# Altium PCB lamp_controller.PcbDoc (part 1 of 3) (continued)
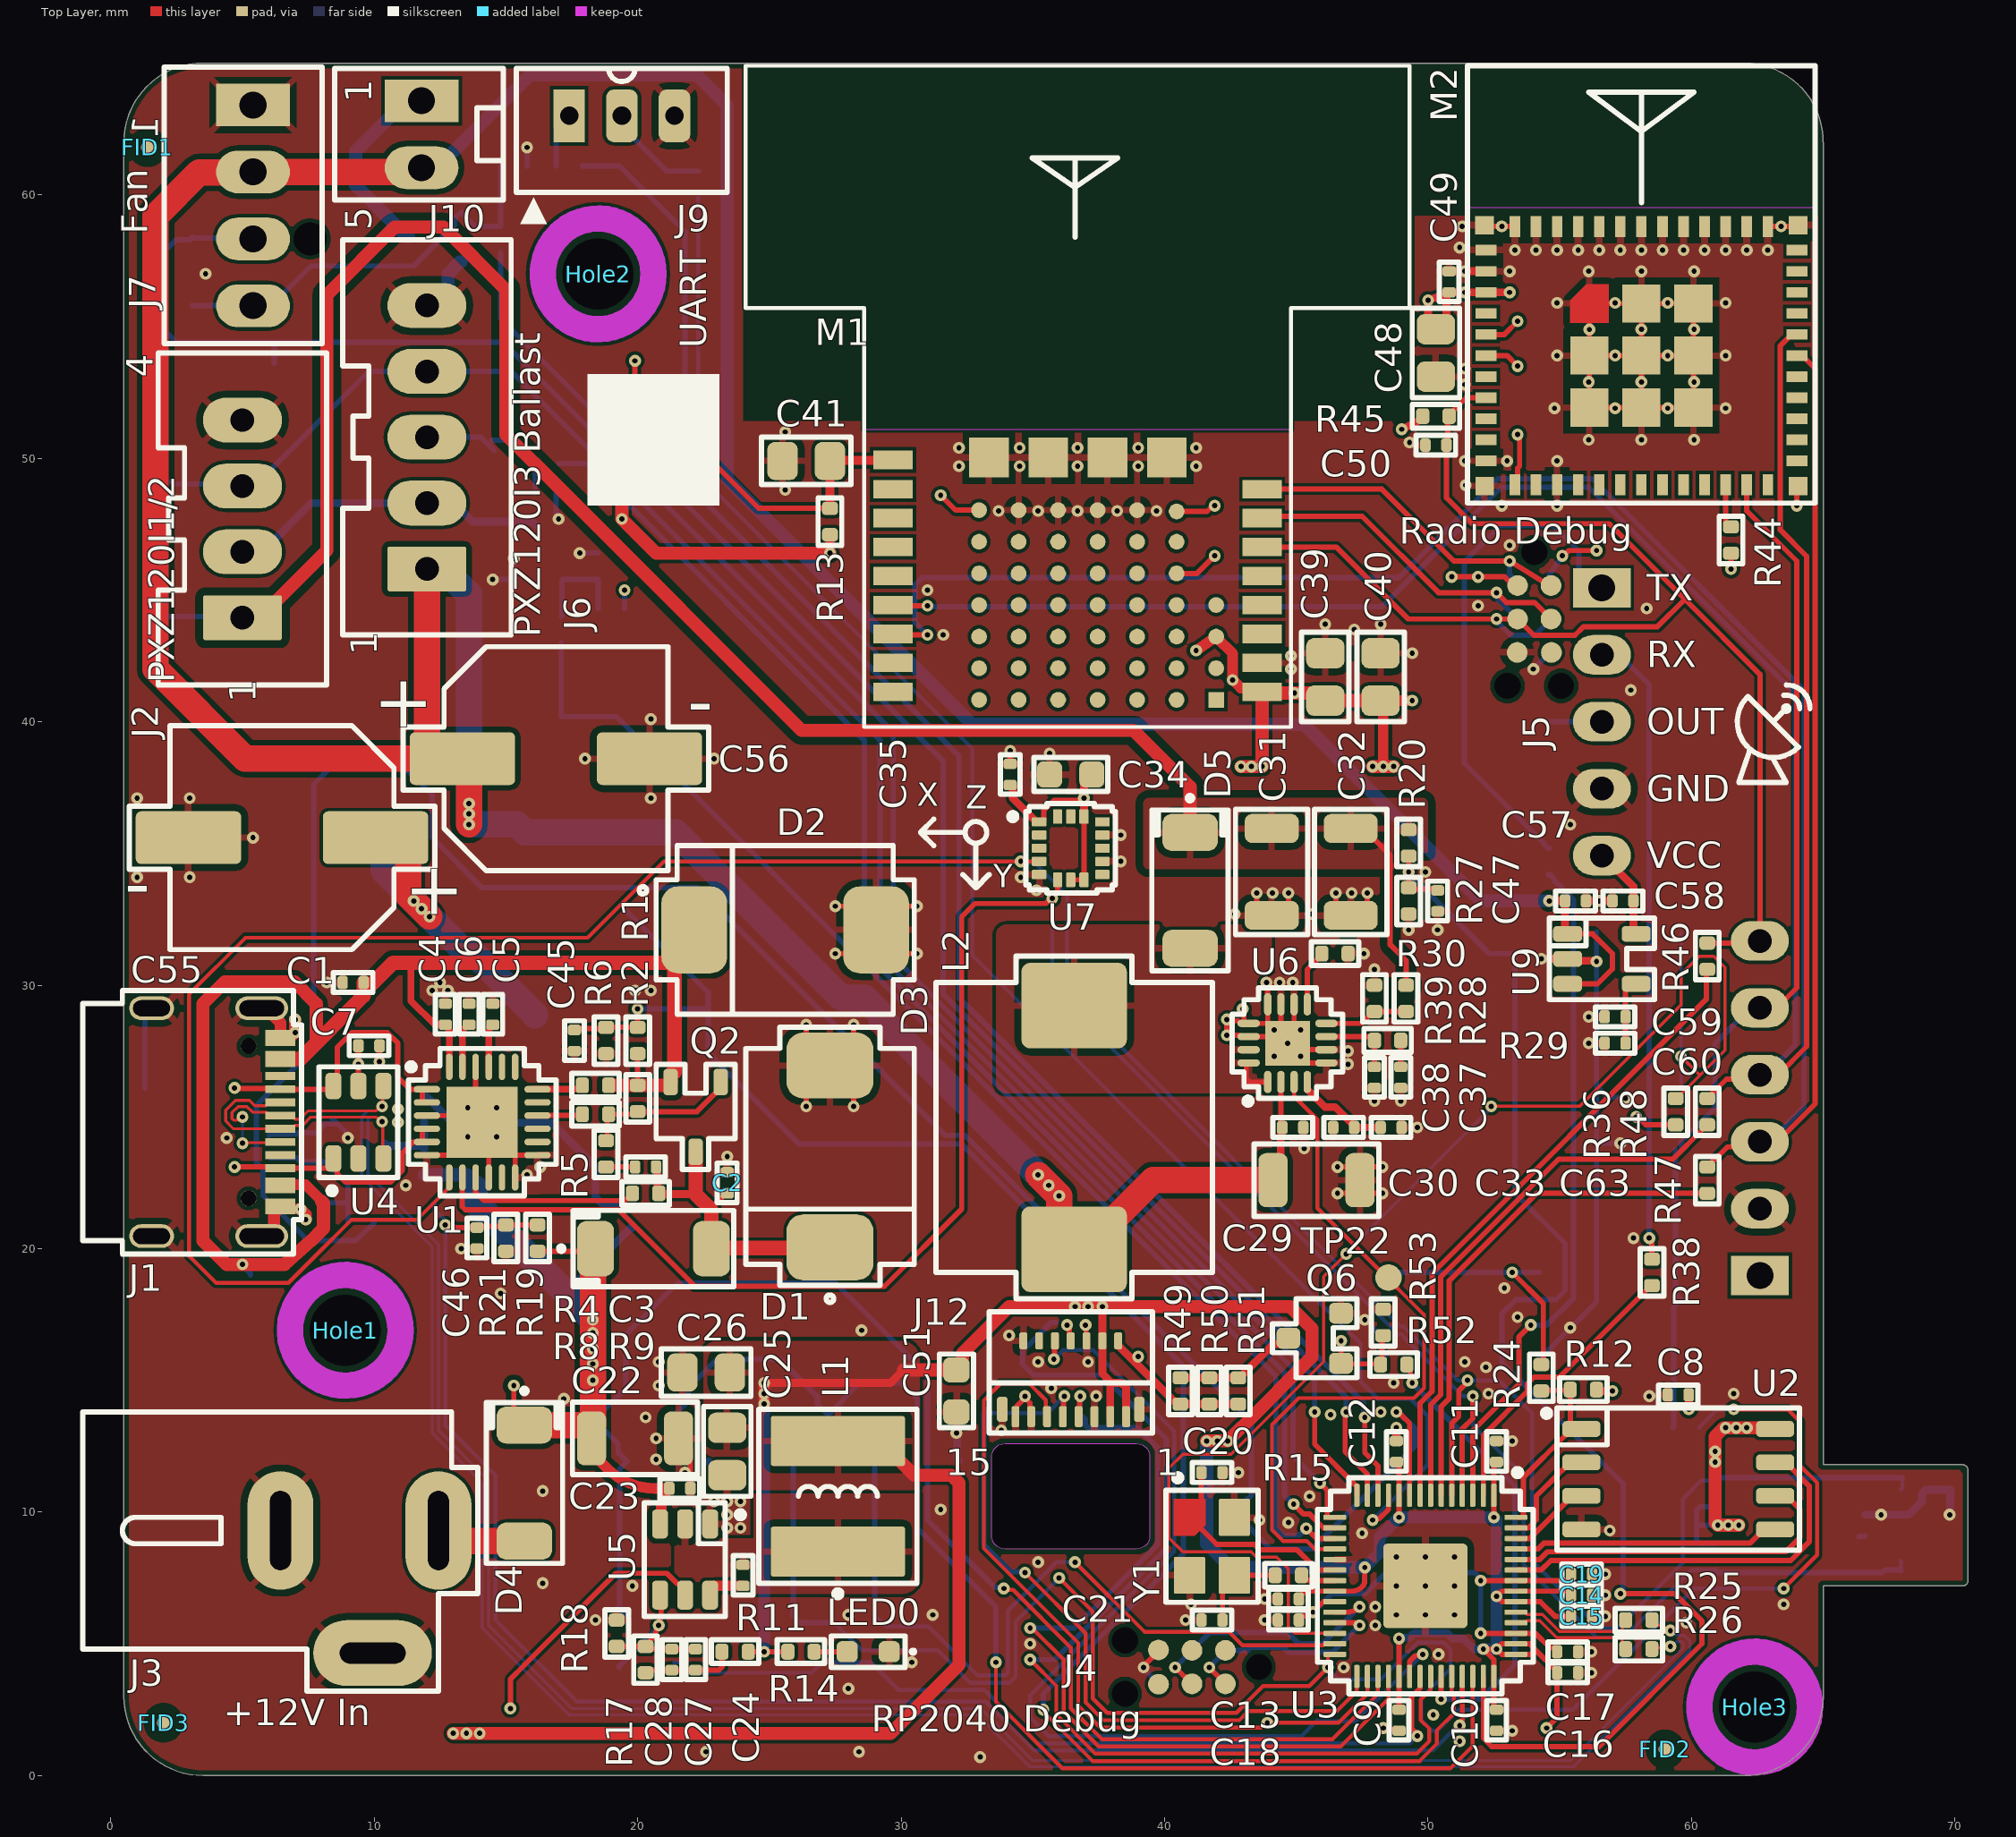
[diagram p0: Top Layer view]
## Components (designator, comment, footprint, x,y, rotation, side; value= is the part's Value field where it differs from the comment) (continued)
R34 "RMCF0402FT10K0" 0402_resistor 15.3,59.9 r180 bottom
R35 "RMCF0402FT10K0" 0402_resistor 15.3,61.1 r0 bottom
R36 "RMCF0402FT10K0" 0402_resistor 59.4,25.2 r90 top
R37 "RMCF0402FT100R" 0402_resistor 54.6,34.7 r90 bottom
R38 "RMCF0402FT100R" 0402_resistor 58.5,19.1 r90 top
R39 "RMCF0402FT10K0" 0402_resistor 47.967,29.5 r270 top
R40 "RMCF0402FT10K0" 0402_resistor 18.5,45.9 r90 bottom
R41 "RMCF0402FT10K0" 0402_resistor 7.1,23.9 r270 bottom
R42 "RMCF0402FT100R" 0402_resistor 17.4,61.1 r180 bottom
R43 "RMCF0402FT100R" 0402_resistor 22.3,60.4 r90 bottom
R44 "RMCF0402FT100K" 0402_resistor 61.5,46.9 r270 top value=100kΩ
R45 "RMCF0402FT10K0" 0402_resistor 50.3,51.6 r180 top
R46 "CR0402-FX-1001GLF" 0402_resistor 60.6,31.1 r90 top
R47 "RMCF0402FT100R" 0402_resistor 60.6,22.6 r90 top
R48 "RMCF0402FT100R" 0402_resistor 60.6,25.2 r90 top
R49 "RMCF0402FT27R0" 0402_resistor 40.6,14.6 r90 top
R50 "RMCF0402FT27R0" 0402_resistor 41.7,14.6 r90 top
R51 "RMCF0402FT27R0" 0402_resistor 42.8,14.6 r90 top
R52 "RMCF0402FT100R" 0402_resistor 48.7,15.6 r180 top
R53 "RMCF0402FT10K0" 0402_resistor 48.3,17.2 r90 top
R54 "RC0402FR-0722K1L" 0402_resistor 11.9,25.3 r90 bottom value=22.1kΩ
R55 "RMCF0402FT100R" 0402_resistor 59.8,13.2 r180 bottom
SW1 "Up" TSC015A08026B#1 24.3,15.3 r180 bottom
SW2 "Left" TSC015A08026B#1 30.6,9 r90 bottom
SW3 "Center" TSC015A08026B#1 24.3,9 r270 bottom
SW4 "Pi Boot" TSC015A06026A 51.3,17.5 r180 bottom
SW5 "ESP32 Boot" TSC015A08026B#2 58,21 r90 bottom
SW6 "RP2040 Reset" TSC015A08026B#2 58,29.1 r270 bottom
SW7 "Right" TSC015A08026B#1 18,9 r270 bottom
SW8 "Down" TSC015A08026B#1 24.3,2.7 r0 bottom
TP1 "VBUS" test_point-1 5.3,19 r180 bottom
TP2 "CC1" test_point-1 4.7,26.1 r90 bottom
TP3 "CC2" test_point-1 4.7,23.1 r180 bottom
TP4 "GND" test_point-1 1.3,26.1 r90 bottom
TP5 "*" test_point-1 53.4,50.9 r90 bottom
TP6 "VBUS Sense" test_point-1 19.6,32.8 r90 bottom
TP7 "Lamp Enable" test_point-1 17.1,40.2 r0 bottom
TP8 "Buck EN" test_point-1 15.168,2.545 r90 bottom
TP9 "+3.3V" test_point-1 54.5,1.8 r270 bottom
TP10 "GND" test_point-1 61.3,51.9 r90 bottom
TP11 "Buck Feedback" test_point-1 19.3,4.1 r270 bottom
TP12 "nRF_VBAT" test_point-1 19.9,53.7 r90 bottom
TP13 "Lamp Status" test_point-1 2.3,49.1 r90 bottom
TP14 "*" test_point-1 53.4,55.2 r90 bottom
TP15 "*" test_point-1 41.9,48.2 r90 bottom
TP16 "*" test_point-1 53.4,53.5 r90 bottom
TP17 "*" test_point-1 41.9,46.3 r90 bottom
TP18 "*" test_point-1 31.5,48.6 r90 bottom
TP19 "+12V Sense" test_point-1 12.3,21.7 r90 bottom
TP20 "+24V Sense" test_point-1 53.3,31.2 r90 bottom
TP21 "RADAR Out" test_point-1 54.5,40 r90 bottom
TP22 "+24V Enable" test_point-1 48.5,18.9 r90 top
TP23 "nRF_VBAT" test_point-1 14.482,50.685 r90 bottom
TP30 "Fan Tach" test_point-1 3.1,58.4 r90 bottom
TP31 "Fan PWM" test_point-1 3.1,55.8 r90 bottom
TP32 "LCD SDA" test_point-1 43.9,2.4 r90 bottom
TP33 "LCD D/C" test_point-1 45.8,2.1 r90 bottom
TP34 "LCD SCLK" test_point-1 33.3,13.9 r90 bottom
TP35 "\LCD CS" test_point-1 35.9,17.2 r90 bottom
TP36 "\LCD Reset" test_point-1 37,13.3 r90 bottom
TP37 "LED K" test_point-1 39.1,16.1 r90 bottom
TP38 "GND" test_point-1 33,0.7 r90 bottom
TP39 "+12V" test_point-1 15.3,14.8 r90 bottom
TP40 "+12V Switched" test_point-1 3.1,60.9 r90 bottom
TP41 "+12V Enable" test_point-1 8.2,21.8 r90 bottom
TP42 "+24V" test_point-1 2.2,44 r90 bottom
TP43 "LCB Backlight" test_point-1 46.1,16.7 r90 bottom
U1 "USB-PD Sink" QFN-24 14.1,24.8 r0 top
U2 "128 Mb Flash" SOIC-8_wide 59.5,11.25 r0 top
U3 "RP2040" QFN-56 49.9,7.2 r270 top locked
U4 "USB TVS" SOT95P280X110-6N 9.4,24.8 r90 top
U5 "+3.3V Buck" SOT-23-6 21.8,8.2 r270 top
U6 "+24V Boost" QDF-16 44.667,27.8 r90 top
U7 "3-Axis Accelerometer" LGA50P300X300X100-16N 36.44,35.2 r0 top
U8 "Magnet Sensor" SOT-23-6 68.9,9.5 r270 bottom
U9 "AP2210K-5.0TRG1" SOT-23-5 56.6,31 r0 top
Y1 "TAXM12M4RLBDDT2T" 3225_crystal 41.8,8.7 r270 top value=12MHz

## Footprints (in the part's own frame and the unit in brackets; to place one, negate y for a bottom-side part, rotate by r counter-clockwise, add the part's x,y. Pads: shape width x height; smd on the part's side, far side on the other; paste and mask are expansions set on the pad)
0402_capacitor [mm] "0402 chip capacitor"
  rrect50% 0.4x0.5 smd: 1(-0.4,0) 2(0.4,0)
  silkscreen extent -0.75,-0.38 0.75,0.38, body extent -0.53,-0.28 0.53,0.28, height 0.55
0402_resistor [mm] "Chip Resistor, 2-Leads, Body 1.00x0.50mm, IPC Medium Density"
  rrect50% 0.5x0.6 smd: 1(-0.5,0) 2(0.5,0)
  silkscreen extent -0.9,-0.45 0.9,0.45, body extent -0.53,-0.28 0.53,0.28, height 0.4
0603_capacitor [mm] "Chip Capacitor, 2-Leads, Body 1.60x0.80mm, IPC Medium Density"
  rrect50% 0.95x1 smd: 1(-0.8,0) 2(0.8,0)
  silkscreen extent -1.4,-0.65 1.4,0.65, body extent -0.87,-0.48 0.87,0.48, height 0.87
0603_diode [mm]
  rrect50% 0.8x0.8 smd: 1(-0.8,0) 2(0.8,0)
  silkscreen extent -1.4,-0.6 1.76,0.6, body extent -0.8,-0.4 0.8,0.4, height 0.7
0805_capacitor [mm] "Chip Capacitor, 2-Leads, Body 2.00x1.25mm, IPC Medium Density"
  rrect50% 1.15x1.45 smd: 1(-0.9,0) 2(0.9,0)
  silkscreen extent -1.7,-0.9 1.7,0.9, body extent -1.15,-0.72 1.15,0.72, height 0.95
1050_inductor [mm] "Precision Wire Wound Inductor, 2-Leads, Body 11.00x10.50mm, IPC Medium Density"
  rrect20% 3.25x4 smd: 1(-4.625,0) 2(4.625,0)
  silkscreen extent -6.5,-5.25 6.5,5.25, body extent -5.6,-5.25 5.6,5.25, height 5.1
1210_capacitor [mm] "1210 chip capacitor"
  rrect50% 1.1x2.05 smd: 1(-1.65,0) 2(1.65,0)
  silkscreen extent -2.37,-1.38 2.37,1.38, body extent -1.75,-1.35 1.75,1.35, height 2.7
2424_inductor [mm] "Precision Wire Wound Inductor, 2-Leads, Body 6.00x6.00mm, IPC Medium Density"
  rrect10% 1.9x5.1 smd: 1(-2.1,0) 2(2.1,0)
  silkscreen extent -3.82,-3 3.3,3, body extent -3,-3 3,3, height 4.51
3225_crystal [mm]
  round 0.025 smd: 1(-1.1,-0.85)
  rrect10% 1.4x1.2 smd: 2(1.1,-0.85) 3(1.1,0.85) 4(-1.1,0.85)
  Top Layer region: -1.8,-1.45 -1.8,-0.25 -1.4,-0.25 -0.8,-0.25 -0.4,-0.65 -0.4,-1.45
  silkscreen extent -2.72,-1.75 2.12,1.75, body extent -1.6,-1.25 1.6,1.25, height 0.8
69190-106HLF [mm] "6-pin 0.1\" header"
  rect 1.5x2.2 hole 1.02: 1(-5.08,0)
  oval 1.5x2.2 hole 0.9: 2(-2.54,0) 3(0,0) 4(2.54,0) 5(5.08,0) 6(7.62,0)
  silkscreen extent -6.4,-1.3 8.9,1.3
22012027 [mm]
  rect 1.62x2.8 hole 1.02: 1(-1.27,0)
  oval 1.62x2.8 hole 1.02: 2(1.27,0)
  silkscreen extent -2.5,-3.3 2.5,3.1, body extent -2.46,-3.25 2.46,3.1, height 10.68
470531000 [mm]
  rect 1.62x2.8 hole 1.02: 1(3.81,0)
  oval 1.62x2.8 hole 1.02: 2(1.27,0) 3(-1.27,0) 4(-3.81,0)
  rect 0x0 hole 1.25 unplated: ""(-1.27,-2.16)
  silkscreen extent -5.25,-2.63 5.25,3.37, body extent -5.1,-2.54 5.1,3.3, height 10
B3B-PH-K-S(LF)(SN) [mm]
  rect 1.2x2 hole 0.7: 1(2,0)
  rrect50% 1.2x2 hole 0.7: 2(0,0) 3(-2,0)
  silkscreen extent -4,-1.8 4,4.1, body extent -3.98,-1.71 3.92,2.79, height 6
B04B-XASK-1 [mm] "JST XA 2.5mm header"
  rrect10% 1.7x3 hole 0.9: 1(-3.75,0)
  oval 1.7x3 hole 0.9: 2(-1.25,0) 3(1.25,0) 4(3.75,0)
  silkscreen extent -6.3,-3.2 6.3,3.2, body extent -6.25,-3.2 6.25,3.2, height 8.81
B05B-XASK-1 [mm] "JST XA 2.5mm header"
  rrect10% 1.7x3 hole 0.9: 1(-5,0)
  oval 1.7x3 hole 0.9: 2(-2.5,0) 3(0,0) 4(2.5,0) 5(5,0)
  silkscreen extent -7.5,-3.2 7.5,3.2, body extent -7.5,-3.2 7.5,3.2, height 8.81
DC-005-A200 [mm]
  oval 2.5x4.5 hole 0.8 slot 3 at 90 deg: 1(6,0) 2(0,0)
  oval 4.5x2.5 hole 0.8 slot 2.5 at 0 deg: 3(3.5,-4.65)
  silkscreen extent -7.5,-6.1 7.5,4.5, body extent -7.5,-4.9 6.5,4.5, height 11.01
debug_header_dual [mm]
  round 0.787 smd paste-2: 1(1.27,-0.635) 2(1.27,0.635) 3(2.54,-0.635) 4(2.54,0.635) 5(3.81,-0.65) 6(3.81,0.65)
  round 0.787 smd far side paste-2: 1(1.27,0.635) 2(1.27,-0.635) 3(2.54,0.635) 4(2.54,-0.635) 5(3.81,0.65) 6(3.81,-0.65)
  round 0 hole 0.991 unplated: ""(0,0) ""(5.08,-1.016) ""(5.08,1.016)
ESP32-C6-MINI-1 [mm] "ESP32-C6-MINI-1 Wi-Fi Module"
  rect 0.8x0.4 smd: 1(-5.9,4) 2(-5.9,3.2) 3(-5.9,2.4) 4(-5.9,1.6) 5(-5.9,0.8) 6(-5.9,0) 7(-5.9,-0.8) 8(-5.9,-1.6) 9(-5.9,-2.4) 10(-5.9,-3.2) 11(-5.9,-4) 25(5.9,-4) 26(5.9,-3.2) 27(5.9,-2.4) 28(5.9,-1.6) 29(5.9,-0.8) 30(5.9,0) 31(5.9,0.8) 32(5.9,1.6) 33(5.9,2.4) 34(5.9,3.2) 35(5.9,4)
  rect 0.4x0.8 smd: 12(-4.8,-4.9) 13(-4,-4.9) 14(-3.2,-4.9) 15(-2.4,-4.9) 16(-1.6,-4.9) 17(-0.8,-4.9) 18(0,-4.9) 19(0.8,-4.9) 20(1.6,-4.9) 21(2.4,-4.9) 22(3.2,-4.9) 23(4,-4.9) 24(4.8,-4.9) 36(4.8,4.9) 37(4,4.9) 38(3.2,4.9) 39(2.4,4.9) 40(1.6,4.9) 41(0.8,4.9) 42(0,4.9) 43(-0.8,4.9) 44(-1.6,4.9) 45(-2.4,4.9) 46(-3.2,4.9) 47(-4,4.9) 48(-4.8,4.9)
  rect 1.45x1.45 smd: 49(-1.975,-1.975) 49(-1.975,0) 49(0,-1.975) 49(0,0) 49(0,1.975) 49(1.975,-1.975) 49(1.975,0) 49(1.975,1.975)
  round 0.025 smd paste+0 mask+0.102: 49(-1.975,1.975)
  rect 0.7x0.7 smd: 50(5.95,4.95) 51(5.95,-4.95) 52(-5.95,-4.95) 53(-5.955,4.95)
  Top Layer region: -2.7,1.25 -2.7,2.1 -2.1,2.7 -1.25,2.7 -1.25,1.25
  Keep-Out Layer region: -6.6,11 6.6,11 6.6,5.6 -6.6,5.6
  silkscreen extent -6.6,-5.6 6.6,11, body extent -6.6,-5.6 6.6,11, height 2.4
FH35C-15S-0.3SHW(50) [mm] "Flat flex connector"
  rrect50% 0.3x0.8 smd: 1(2.1,-1.475) 3(1.5,-1.475) 5(0.9,-1.475) 7(0.3,-1.475) 9(-0.3,-1.475) 11(-0.9,-1.475) 13(-1.5,-1.475) 15(-2.1,-1.475)
  rrect50% 0.3x0.65 smd: 2(1.8,1.4) 4(1.2,1.4) 6(0.6,1.4) 8(0,1.4) 10(-0.6,1.4) 12(-1.2,1.4) 14(-1.8,1.4)
  rrect50% 0.4x0.95 smd: MP(-2.6,-1.2) MP(2.6,-1.2)
  Keep-Out Layer board cut-out: -3,-6 -3,-3 -2.962,-2.809 -2.854,-2.646 -2.691,-2.538 -2.5,-2.5 -2.5,-2.5 2.5,-2.5 2.691,-2.538 2.854,-2.646 2.962,-2.809 3,-3 3,-3 3,-6 2.962,-6.191 2.854,-6.354 2.691,-6.462 2.5,-6.5 2.5,-6.5 -2.5,-6.5 -2.691,-6.462 -2.854,-6.354 -2.962,-6.191 -3,-6
  silkscreen extent -3.1,-2.1 3.1,2.5, body extent -15.76,-3.65 15.76,38.22, height 1.91
fiducial-0.5 [mm] "0.5mm diameter fiducial"
  round 0.5 smd paste-1 mask+0.5: ""(0,0)
LGA50P300X300X100-16N [mm] "LGA, 16-Leads, Body 3.00x3.00mm, Pitch 0.50mm, IPC Medium Density"
  rrect20% 0.55x0.35 smd: 1(-1.2,1) 2(-1.2,0.5) 3(-1.2,0) 4(-1.2,-0.5) 5(-1.2,-1) 9(1.2,-1) 10(1.2,-0.5) 11(1.2,0) 12(1.2,0.5) 13(1.2,1)
  rrect20% 0.35x0.55 smd: 6(-0.5,-1.2) 7(0,-1.2) 8(0.5,-1.2) 14(0.5,1.2) 15(0,1.2) 16(-0.5,1.2)
  silkscreen extent -5.7,-1.7 1.7,1.7, body extent -1.58,-1.58 1.58,1.58, height 1
m2.5_hole_no_pad [mm] "M2.5 hole, no pad"
  round 0 hole 2.7 unplated mask+1.25: ""(0,0)
  Top Layer keep-out circle w1: c0,0 r2.1
  Bottom Layer keep-out circle w1: c0,0 r2.1
QDF-16 [mm] "QFN, 16-Leads, Body 3.00x3.00mm, Pitch 0.50mm, Thermal Pad 1.70x1.70mm, IPC Low Density"
  oval 0.85x0.28 smd: 1(-1.475,0.75) 2(-1.475,0.25) 3(-1.475,-0.25) 4(-1.475,-0.75) 9(1.475,-0.75) 10(1.475,-0.25) 11(1.475,0.25) 12(1.475,0.75)
  oval 0.28x0.85 smd: 5(-0.75,-1.475) 6(-0.25,-1.475) 7(0.25,-1.475) 8(0.75,-1.475) 13(0.75,1.475) 14(0.25,1.475) 15(-0.25,1.475) 16(-0.75,1.475)
  rect 1.7x1.7 smd: PAD(0,0)
  silkscreen extent -2.32,-2.1 2.1,2.1, body extent -1.5,-1.5 1.5,1.5, height 0.8
QFN-24 [mm] "QFN, 24-Leads, Body 4.00x4.00mm, Pitch 0.50mm, Thermal Pad 2.70x2.70mm, IPC Low Density"
  oval 1x0.25 smd: 1(-2.1,1.25) 2(-2.1,0.75) 3(-2.1,0.25) 4(-2.1,-0.25) 5(-2.1,-0.75) 6(-2.1,-1.25) 13(2.1,-1.25) 14(2.1,-0.75) 15(2.1,-0.25) 16(2.1,0.25) 17(2.1,0.75) 18(2.1,1.25)
  oval 0.25x1 smd: 7(-1.25,-2.1) 8(-0.75,-2.1) 9(-0.25,-2.1) 10(0.25,-2.1) 11(0.75,-2.1) 12(1.25,-2.1) 19(1.25,2.1) 20(0.75,2.1) 21(0.25,2.1) 22(-0.25,2.1) 23(-0.75,2.1) 24(-1.25,2.1)
  rect 2.7x2.7 smd: PAD(0,0)
  silkscreen extent -2.82,-2.8 2.8,2.8, body extent -2,-2 2,2, height 1.01
QFN-56 [mm]
  rrect50% 0.875x0.2 smd: 1(-3.437,2.6) 2(-3.437,2.2) 3(-3.437,1.8) 4(-3.437,1.4) 5(-3.437,1) 6(-3.437,0.6) 7(-3.437,0.2) 8(-3.437,-0.2) 9(-3.437,-0.6) 10(-3.437,-1) 11(-3.437,-1.4) 12(-3.437,-1.8) 13(-3.437,-2.2) 14(-3.437,-2.6) 29(3.438,-2.6) 30(3.438,-2.2) 31(3.438,-1.8) 32(3.438,-1.4) 33(3.438,-1) 34(3.438,-0.6) 35(3.438,-0.2) 36(3.438,0.2) 37(3.438,0.6) 38(3.438,1) 39(3.438,1.4) 40(3.438,1.8) 41(3.438,2.2) 42(3.438,2.6)
  rrect50% 0.2x0.875 smd: 15(-2.6,-3.438) 16(-2.2,-3.438) 17(-1.8,-3.438) 18(-1.4,-3.438) 19(-1,-3.438) 20(-0.6,-3.438) 21(-0.2,-3.438) 22(0.2,-3.438) 23(0.6,-3.438) 24(1,-3.438) 25(1.4,-3.438) 26(1.8,-3.438) 27(2.2,-3.438) 28(2.6,-3.438) 43(2.6,3.437) 44(2.2,3.437) 45(1.8,3.437) 46(1.4,3.437) 47(1,3.437) 48(0.6,3.437) 49(0.2,3.437) 50(-0.2,3.437) 51(-0.6,3.437) 52(-1,3.437) 53(-1.4,3.437) 54(-1.8,3.437) 55(-2.2,3.437) 56(-2.6,3.437)
  rrect10% 3.2x3.2 smd: EP(0,0)
  silkscreen extent -4.42,-4.1 4.1,4.1, body extent -3.5,-3.5 3.5,3.5, height 0.9
radar_angled_1 [mm] "5-pin 0.1\" header"
  rect 1.5x2.2 hole 1.02: 1(-5.08,0)
  oval 1.5x2.2 hole 0.9: 2(-2.54,0) 3(0,0) 4(2.54,0) 5(5.08,0)
  silkscreen extent -6.7,-10.1 6.7,1.3, body extent -11.05,-15.64 11.05,0.2, height 2.76
SMCJ33CA-13-F [mm]
  rrect50% 2.5x3.3 smd: 1(-3.45,0) 2(3.45,0)
  silkscreen extent -5.54,-3.2 4.9,3.2, body extent -4.07,-3.11 4.07,3.11, height 2.45
SMMS0630 [mm] "Precision Wire Wound Inductor, 2-Leads, Body 7.10x6.60mm, IPC Medium Density"
  rrect20% 2.35x3.5 smd: 1(-3.025,0) 2(3.025,0)
  silkscreen extent -4.4,-3.3 4.4,3.3, body extent -3.65,-3.3 3.65,3.3, height 3.1
SOD128 [mm]
  rrect50% 1.4x2.1 smd: 1(-2.2,0) 2(2.2,0)
  silkscreen extent -3.6,-1.45 3.05,1.45, body extent -2.35,-1.35 2.35,1.35, height 1.1
SOIC-8_wide [mm]
  rrect50% 1.45x0.6 smd: 1(-3.675,1.905) 2(-3.675,0.635) 3(-3.675,-0.635) 4(-3.675,-1.905) 5(3.675,-1.905) 6(3.675,-0.635) 7(3.675,0.635) 8(3.675,1.905)
  silkscreen extent -5.12,-2.7 4.6,2.7, body extent -3.95,-2.7 3.95,2.7, height 2.16
SOT95P280X110-6N [mm] "SOT23, 6-Leads, Body 2,90x2,80mm, Pitch 0,95mm, IPC Medium Density"
  rrect50% 1x0.6 smd: 1(-1.375,0.95) 2(-1.375,0) 3(-1.375,-0.95) 4(1.375,-0.95) 5(1.375,0) 6(1.375,0.95)
  silkscreen extent -2.72,-1.5 2.1,1.5, body extent -0.88,-1.52 0.87,1.53, height 1.1
SOT95P280X115-3N [mm] "SOT23, 3-Leads, Body 2.92x2.80mm, Pitch 0.95mm, IPC Medium Density"
  rrect50% 1x0.55 smd: 1(-1.325,0.95) 2(-1.325,-0.95) 3(1.325,0)
  silkscreen extent -2,-1.5 2,1.5, body extent -1.45,-1.49 1.45,1.49, height 1.15
SOT-23-3 [mm]
  rrect50% 0.9x0.8 smd: 1(-1,0.95) 2(-1,-0.95) 3(1,0)
  silkscreen extent -1.6,-1.5 1.6,1.5, body extent -1.32,-1.52 1.32,1.52, height 1.22
SOT-23-5 [mm] "SOT23, 5-Leads, Body 2.90x2.80mm, Pitch 0.95mm, IPC Medium Density"
  rrect50% 1.1x0.6 smd: 1(-1.3,0.95) 2(-1.3,0) 3(-1.3,-0.95) 4(1.3,-0.95) 5(1.3,0.95)
  silkscreen extent -2,-1.55 2,1.55, body extent -1.5,-1.53 1.5,1.53, height 1.45
SOT-23-6 [mm]
  rrect50% 1.1x0.6 smd: 1(-1.35,0.95) 2(-1.35,0) 3(-1.35,-0.95) 4(1.35,-0.95) 5(1.35,0) 6(1.35,0.95)
  silkscreen extent -2.16,-1.55 2.16,2.23, body extent -1.53,-1.53 1.53,1.53, height 1.1
test_point-1 [mm] "Test point"
  round 1 smd paste-1 mask+0: 1(0,0)
TO-252 [mm] "D-PAK, 3-Pads, Body 6.20x6.71mm (max), IPC Medium Density"
  rrect50% 2.6x1.05 smd: 1(-4.2,2.29) 3(-4.2,-2.29)
  rrect10% 5.7x5.632 smd: 2(2.35,0)
  silkscreen extent -5.7,-3.35 5.5,3.35, body extent -5.1,-3.35 4.81,3.35, height 2.39
TSC015A06026A [mm]
  rrect50% 1.35x1.1 smd: 1(-2.925,1.5) 2(2.925,1.5) 3(-2.925,-1.5) 4(2.925,-1.5)
  silkscreen extent -3.8,-2.3 3.8,2.3, body extent -3.4,-2.25 3.4,2.25, height 6.01
TSC015A08026B#1 [mm]
  rrect50% 1.35x1.1 smd: 1(-2.925,1.5) 2(2.925,1.5) 3(-2.925,-1.5) 4(2.925,-1.5)
  silkscreen extent -3.8,-2.3 3.8,2.3, body extent -3.4,-2.25 3.4,2.25, height 8.01
TSC015A08026B#2 [mm]
  rrect50% 1.35x1.1 smd: 1(-2.925,1.6) 2(2.925,1.6) 3(-2.925,-1.6) 4(2.925,-1.6)
  silkscreen extent -3.8,-2.4 3.8,2.4, body extent -3.4,-2.25 3.4,2.25, height 8.01
USB_C_2.0_M12 [mm] "HRO M12/GCT 4105 USB-C 2.0 CONNECTOR"
  rect 0.6x1.14 smd: A1/B12(-3.2,3.5) A4/B9(-2.4,3.5) A9/B4(2.4,3.5) B1/A12(3.2,3.5)
  rect 0.3x1.14 smd: A5(-1.25,3.5) A6(-0.25,3.5) A7(0.25,3.5) A8(1.25,3.5) B5(1.75,3.5) B6(0.75,3.5) B7(-0.75,3.5) B8(-1.75,3.5)
  round 0.6 hole 0.6 unplated: MH(-2.89,2.29) MH(2.89,2.29)
  oval 0.9x2 hole 0.6 slot 1.7 at 90 deg: MP(-4.325,2.79) MP(4.325,2.79)
  oval 0.9x2 on Top Paste: MP(-4.325,2.79) MP(4.325,2.79)
  oval 0.9x1.7 hole 0.6 slot 1.4 at 90 deg: MP(-4.325,-1.39) MP(4.325,-1.39)
  oval 0.9x1.7 on Top Paste: MP(-4.325,-1.39) MP(4.325,-1.39)
  silkscreen extent -5,-4 5,4.3, body extent -4.47,-3.95 4.46,3.95, height 3.21
UUD1V221MNL1GS [mm] "Aluminum Electrolytic Capacitor, Body 8.30x8.30x10.80mm, IPC Medium Density"
  rrect20% 4x2 smd: 1(-3.55,0) 2(3.55,0)
  silkscreen extent -5.8,-4.25 5.8,4.25, body extent -4.85,-4.15 4.85,4.15, height 10.51
WT02C40C [mm] "nRF5340+nRF7002 BLE+WiFI module"
  rect 1.5x0.7 smd: 1(-7.003,-2.269) 2(-7.003,-3.369) 3(-7.003,-4.469) 4(-7.003,-5.569) 5(-7.003,-6.669) 6(-7.003,-7.769) 7(-7.003,-8.869) 8(-7.003,-9.969) 9(7.007,-9.969) 10(7.007,-8.869) 11(7.007,-7.769) 12(7.007,-6.669) 13(7.007,-5.569) 14(7.007,-4.469) 15(7.007,-3.369) 16(7.007,-2.269) 17(-7.003,-1.163)
  round 0.6 smd: A0(-2.24,-3.068) A1(-2.24,-4.268) A2(-2.24,-5.468) A3(-2.24,-6.668) A4(-2.24,-7.868) A5(-2.24,-9.068) A6(-2.24,-10.268) B0(-0.74,-3.068) B1(-0.74,-4.268) B2(-0.74,-5.468) B3(-0.74,-6.668) B4(-0.74,-7.868) B5(-0.74,-9.068) B6(-0.74,-10.268) C0(0.76,-3.068) C1(0.76,-4.268) C2(0.76,-5.468) C3(0.76,-6.668) C4(0.76,-7.868) C5(0.76,-9.068) C6(0.76,-10.268) D0(2.26,-3.068) D1(2.26,-4.268) D2(2.26,-5.468) D3(2.26,-6.668) D4(2.26,-7.868) D5(2.26,-9.068) D6(2.26,-10.268) E0(3.76,-3.117) E1(3.76,-4.268) E2(3.76,-5.468) E3(3.76,-6.668) E4(3.76,-7.868) E5(3.76,-9.068) E6(3.76,-10.268) F3(5.26,-6.668) F4(5.26,-7.868) F5(5.26,-9.068) Z0(-3.74,-3.068) Z1(-3.74,-4.268) Z2(-3.74,-5.468) Z3(-3.74,-6.668) Z4(-3.74,-7.868) Z5(-3.74,-9.068) Z6(-3.74,-10.268)
  rect 0.6x0.6 smd: F6(5.26,-10.268)
  rect 1.5x1.5 smd: H0(-3.365,-1.068) H1(-1.115,-1.068) H2(1.135,-1.068) H3(3.385,-1.068)
  Keep-Out Layer region: -12.6,13.8 -12.6,4.6 -8.1,4.6 -8.1,0 8.1,0 8.1,4.6 12.6,4.6 12.6,13.8
  silkscreen extent -12.6,-11.3 12.6,13.8, body extent -12.5,-11.15 12.5,13.65, height 2

## Part data
C1 C2 C3 C7 C8 C9 C10 C11 C12 C13 C14 C15 C18 C19 C24 C33 C35 C42 C43 C44 C45 C46 C47 C49 C52 C53 C54 C61 C62 C63: "100 nF, 100 V, X7R, 0402 Chip capacitor", Capacitor Type=Ceramic, Case/Package=0402, Manufacturer=Murata, Max Operating Temperature=85°C, Min Operating Temperature=-55°C, Package Shape=Rectangular, Rated DC Voltage (URdc)=100V, Supplier Part Number 1=C162178, Temperature Characteristics Code=X5R, Tolerance  (fill in as +-)=10%, Category="Ceramic Capacitors", ComponentLink1Description=https://datasheet.ciiva.com:443/pdfs/VipMasterIC/IC/MURE/MURE-S-A0004362469/MURE-S-A0004364737-1.pdf?src-supplier=IHS+Markit, ComponentLink1URL=https://datasheet.ciiva.com:443/pdfs/VipMasterIC/IC/MURE/MURE-S-A0004362469/MURE-S-A0004364737-1.pdf?src-supplier=IHS+Markit, ComponentLink2Description=http://www.farnell.com/datasheets/2079151.pdf?src-supplier=Farnell, ComponentLink2URL=http://www.farnell.com/datasheets/2079151.pdf?src-supplier=Farnell, ComponentLink3Description=http://www.mouser.com/ds/2/281/c02e-2905.pdf?src-supplier=Mouser, ComponentLink3URL=http://www.mouser.com/ds/2/281/c02e-2905.pdf?src-supplier=Mouser, ComponentLink4Description=http://www.farnell.com/datasheets/2079151.pdf?src-supplier=Element14, ComponentLink4URL=http://www.farnell.com/datasheets/2079151.pdf?src-supplier=Element14, ComponentLink5Description=http://www.farnell.com/datasheets/2079151.pdf?src-supplier=Newark, ComponentLink5URL=http://www.farnell.com/datasheets/2079151.pdf?src-supplier=Newark, ComponentLink6Description=https://datasheet.octopart.com/GRM155R62A104KE14D-Murata-datasheet-149523038.pdf?src-supplier=Newark, ComponentLink6URL=https://datasheet.octopart.com/GRM155R62A104KE14D-Murata-datasheet-149523038.pdf?src-supplier=Newark, ComponentLink7Description=https://datasheet.octopart.com/GRM155R62A104KE14D-Murata-datasheet-66077071.pdf?src-supplier=Element14, ComponentLink7URL=https://datasheet.octopart.com/GRM155R62A104KE14D-Murata-datasheet-66077071.pdf?src-supplier=Element14, ComponentLink8Description=http://search.murata.co.jp/Ceramy/image/img/A01X/G101/ENG/GRM155R62A104KE14-01.pdf?src-supplier=Digikey, ComponentLink8URL=http://search.murata.co.jp/Ceramy/image/img/A01X/G101/ENG/GRM155R62A104KE14-01.pdf?src-supplier=Digikey, ComponentLink9Description=https://datasheet.octopart.com/GRM155R62A104KE14D-Murata-datasheet-22122223.pdf?src-supplier=Future+Electronics, ComponentLink9URL=https://datasheet.octopart.com/GRM155R62A104KE14D-Murata-datasheet-22122223.pdf?src-supplier=Future+Electronics, ComponentLink10Description=https://datasheet.octopart.com/GRM155R62A104KE14D-Murata-datasheet-165579666.pdf?src-supplier=TME, ComponentLink10URL=https://datasheet.octopart.com/GRM155R62A104KE14D-Murata-datasheet-165579666.pdf?src-supplier=TME, Dielectric Material=Ceramic, JESD-609 Code=e3, Manufacturer Part Number=GRM155R62A104KE14D, Mounting Technology="Surface Mount", Multilayer=Yes, Packaging="Tape and Reel", Pins=2, Pricing 1="50=0.0085, 500=0.0066, 1500=0.0057, 10000=0.0051, 20000=0.0048, 50000=0.0047 (USD)", Reach SVHC Compliant=Yes, RoHS=Yes, RoHS Compliant=Yes, Stock 1=283300, Supplier 1=LCSC, Terminal Finish=Nickel, Termination=Wraparound, Tolerance (fill in as +-)=10%
C4 C5 C6 C16 C17 C36 C50 C57 C58: "1 µF, 25 V, X5R, 0402 Chip capacitor", Capacitance=1µF, Capacitor Type=Ceramic, Manufacturer=Murata, Max Operating Temperature=85°C, Min Operating Temperature=-55°C, Negative Tolerance=10%, Package Shape=Rectangular, Package Style=SMTMeter, Supplier Part Number 1=490-10017-1-ND, Temperature Characteristics Code=X5R, Voltage=25V, Category="Ceramic Capacitors", ComponentLink1Description=https://datasheet.ciiva.com:443/pdfs/VipMasterIC/IC/MURE/MURE-S-A0004362469/MURE-S-A0004364524-1.pdf?src-supplier=IHS+Markit, ComponentLink1URL=https://datasheet.ciiva.com:443/pdfs/VipMasterIC/IC/MURE/MURE-S-A0004362469/MURE-S-A0004364524-1.pdf?src-supplier=IHS+Markit, ComponentLink2Description=https://datasheet.ciiva.com/7719/1666664-7719006.pdf?src-supplier=Element14, ComponentLink2URL=https://datasheet.ciiva.com/7719/1666664-7719006.pdf?src-supplier=Element14, ComponentLink3Description=https://datasheet.ciiva.com/22732/1666664-22732122.pdf?src-supplier=Element14, ComponentLink3URL=https://datasheet.ciiva.com/22732/1666664-22732122.pdf?src-supplier=Element14, Dielectric Material=Ceramic, Height=0.5mm, house_part_number=C-1uF-0402-002, JESD-609 Code=e3, Length=1mm, Manufacturer Part Number=GRM155R61E105KA12D, Mount="Surface Mount", Multilayer=Yes, Number of Pins=2, Packaging="Tape and Reel", Positive Tolerance=10%, Pricing 1="1=0.11000, 10=0.08300, 50=0.04560, 100=0.03720, 500=0.02656, 1000=0.02087, 2500=0.01898, 5000=0.01746 (USD)", REACH SVHC=Yes, RoHS=Yes, RoHS Compliant=Yes, Size Code=0402, Stock 1=145965, Supplier 1=Digi-Key, Terminal Finish=Nickel, Termination=Wraparound, Width=0.5mm
C20 C21: "27 pF, 25 V, X7R, 0402 Chip capacitor", Case Code (Imperial)=0402, Case Code (Metric)=1005, Dielectric=C0G, Manufacturer=Yageo, Max Operating Temperature=125°C, Min Operating Temperature=-55°C, Package Quantity=1, Supplier Part Number 1=9741513, Tolerance=5%, Voltage Rating=50V, Case/Package=0402, Category="Ceramic Capacitors", ComponentLink1Description=https://datasheet.ciiva.com/26862/getdatasheetpartid-403452-26862597.pdf?src-supplier=Verical, ComponentLink1URL=https://datasheet.ciiva.com/26862/getdatasheetpartid-403452-26862597.pdf?src-supplier=Verical, ComponentLink2Description=https://datasheet.ciiva.com/28450/1443161-28450249.pdf?src-supplier=Element14, ComponentLink2URL=https://datasheet.ciiva.com/28450/1443161-28450249.pdf?src-supplier=Element14, ComponentLink3Description=https://datasheet.ciiva.com/176/mlccorderingcode-176355.pdf?src-supplier=Digikey, ComponentLink3URL=https://datasheet.ciiva.com/176/mlccorderingcode-176355.pdf?src-supplier=Digikey, ComponentLink4Description=https://datasheet.ciiva.com/176/mlccorderingcode-176354.pdf?src-supplier=Digikey, ComponentLink4URL=https://datasheet.ciiva.com/176/mlccorderingcode-176354.pdf?src-supplier=Digikey, ComponentLink5Description=https://datasheet.ciiva.com/176/mlccorderingcode-176356.pdf?src-supplier=Digikey, ComponentLink5URL=https://datasheet.ciiva.com/176/mlccorderingcode-176356.pdf?src-supplier=Digikey, ComponentLink6Description=https://datasheet.ciiva.com/13386/upy-gp-np0-16v-to-50v-8-13386281.pdf?src-supplier=Mouser, ComponentLink6URL=https://datasheet.ciiva.com/13386/upy-gp-np0-16v-to-50v-8-13386281.pdf?src-supplier=Mouser, Depth=0.5mm, house_part_number=C-27pF-0402-002, Lead Free="Lead Free", Length=1mm, Manufacturer Part Number=CC0402JRNPO9BN270, Mounting Technology="Surface Mount", Packaging="Tape and Reel", Pins=2, Pricing="10000=0.0024, 40000=0.0022, 150000=0.0021, 400000=0.002, 1000000=0.0019 (USD)", Radiation Hardening=No, Reach SVHC Compliant=No, RoHS=Yes, RoHS Compliant=Yes, Series=CC, Stock=1230000, Supplier 1="Future Electronics", Termination=SMD/SMT, Thickness=0.022inch, Voltage Rating (DC)=50V, Width=0.02inch